# Altium PCB bqCNC.PcbDoc (part 5 of 6)
Units mm, origin at the board's own origin, x right, y up, seen from the top; angles counter-clockwise.
Board outline 136 x 100 mm, 4 copper layers (Top Layer, Power Layer, Signal Layer 1, GND Layer), stack 1.584 mm thick; 429 components, 259 nets, 1361 pads, 782 vias.
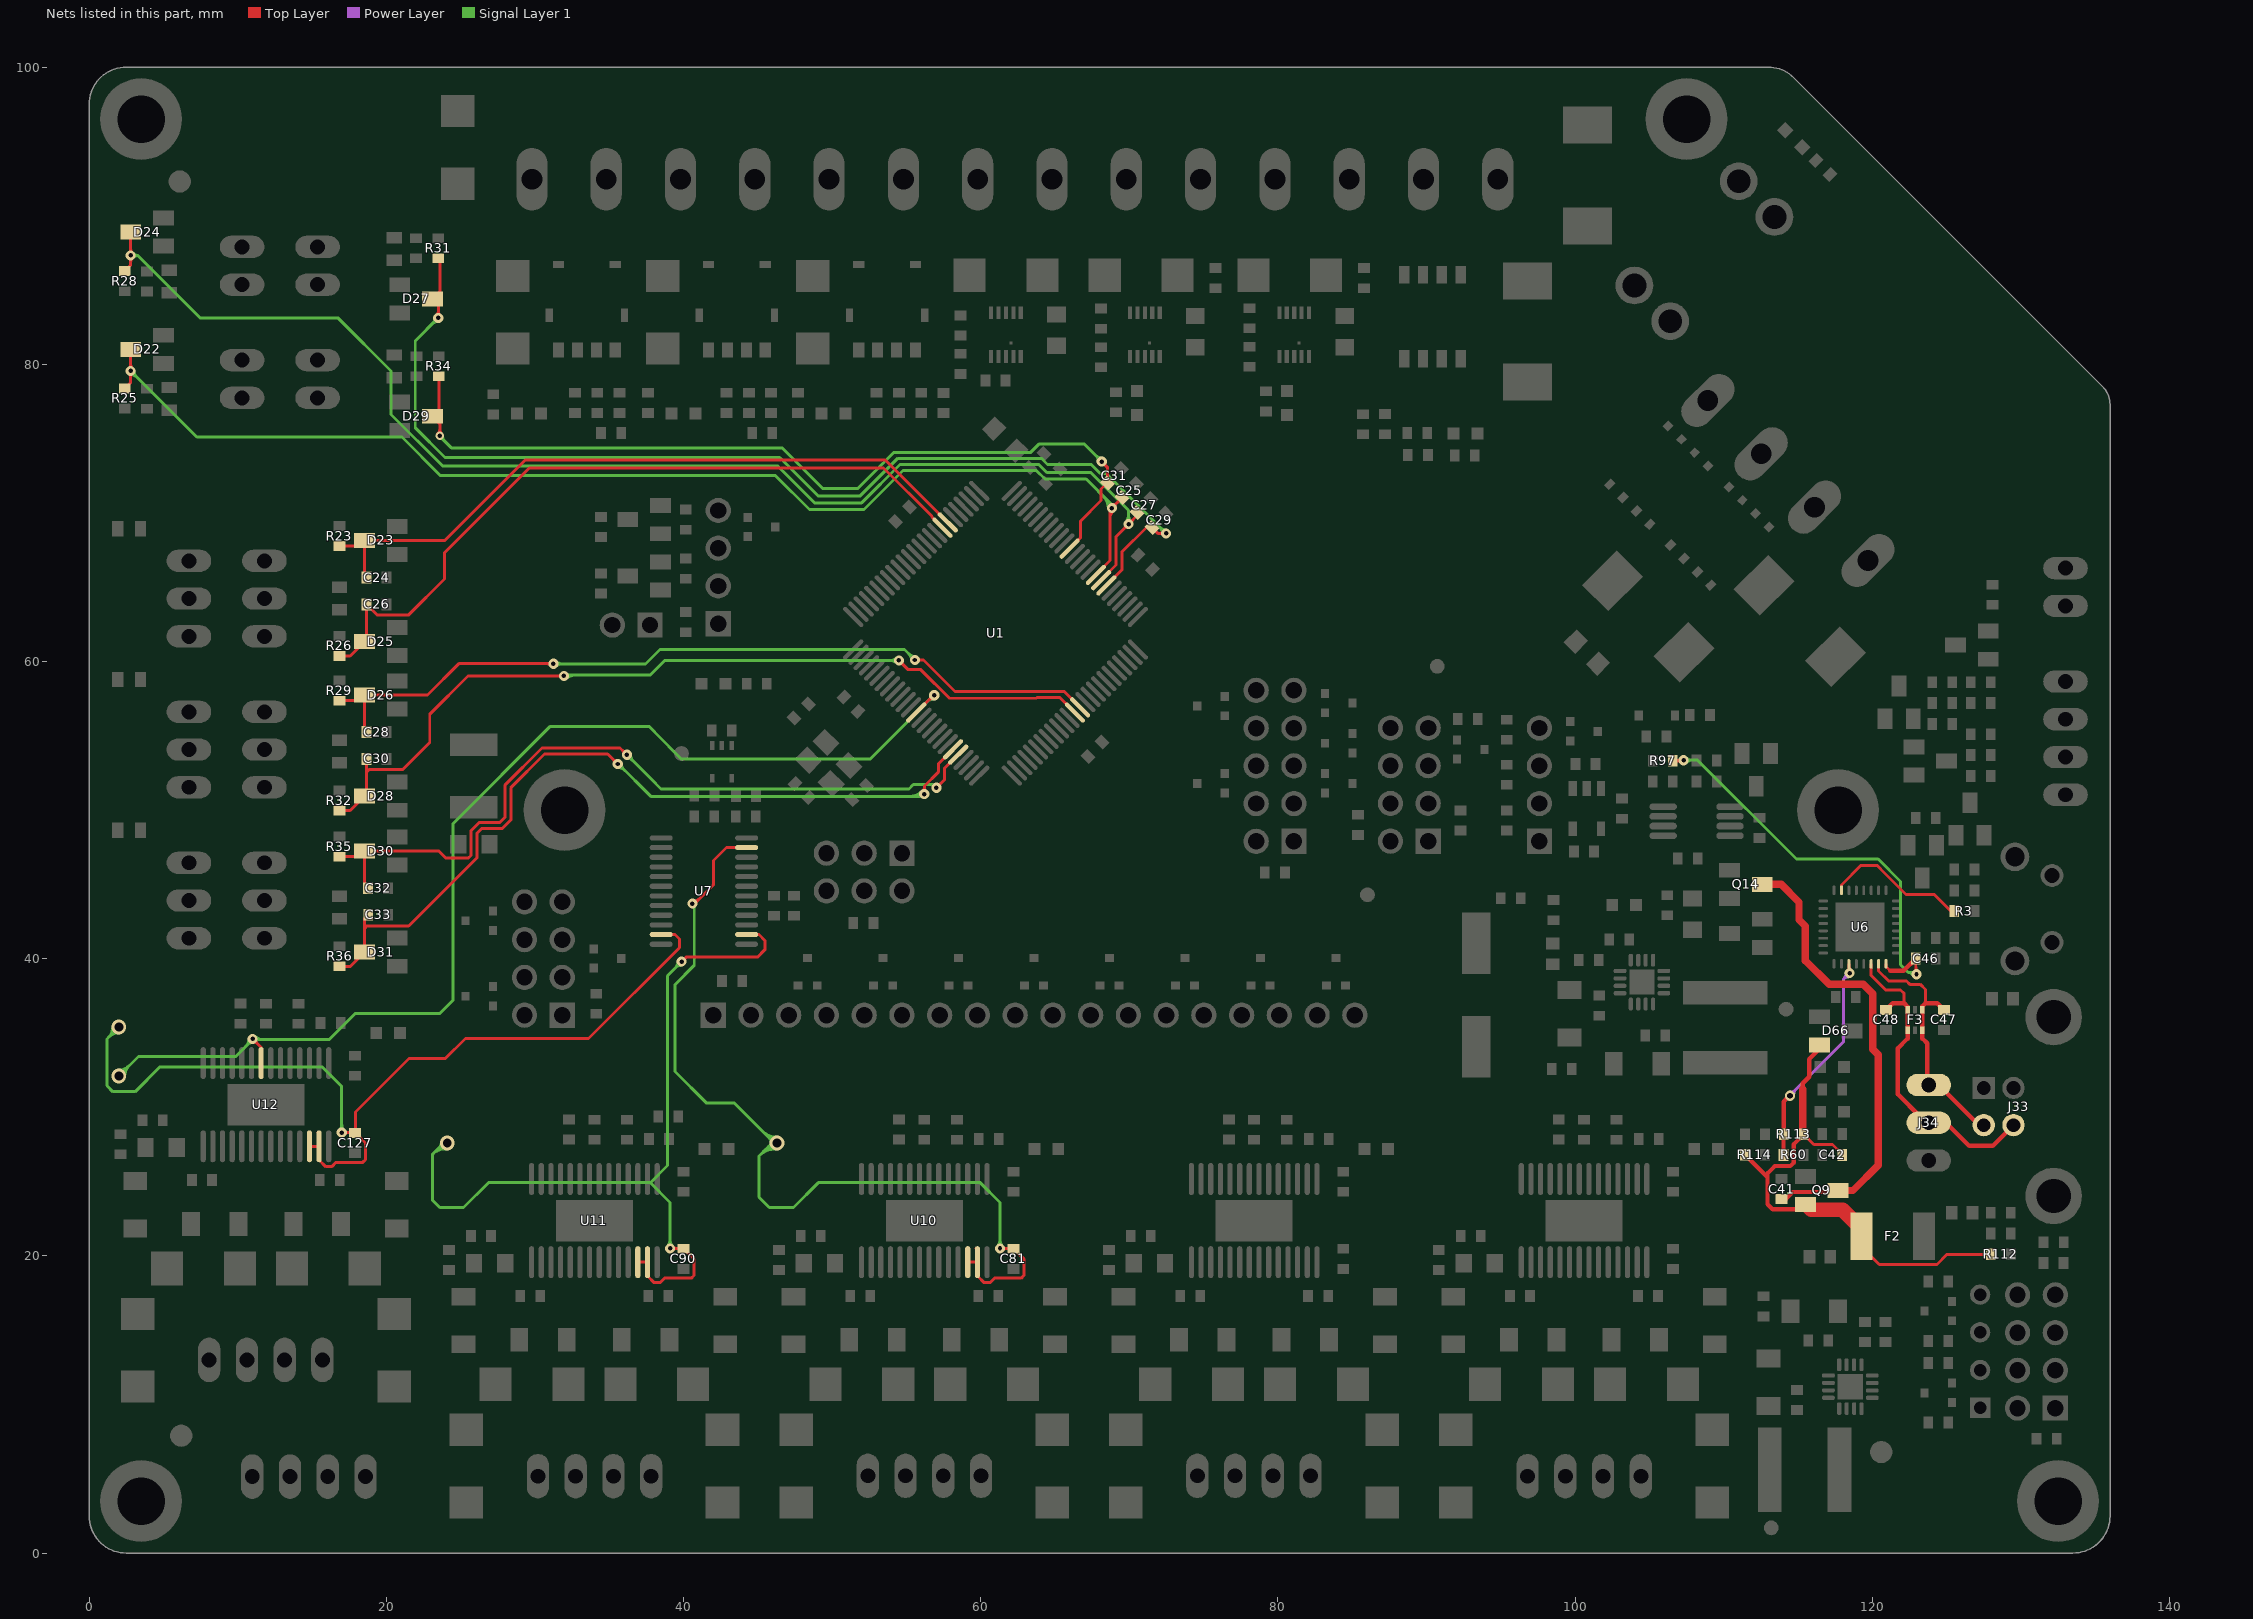
[diagram p7: the nets of this part, all layers, seen from the top]

## Via types
v1: diameter 0.66/0.74/0.74/0.66 (per signal layer), hole 0.4, Top Layer to GND Layer, 361 vias
v2: diameter 0.56/0.68/0.68/0.56 (per signal layer), hole 0.3, Top Layer to GND Layer, 323 vias
v3: diameter 0.86/0.98/0.98/0.86 (per signal layer), hole 0.6, Top Layer to GND Layer, 76 vias
v4: diameter 1, hole 0.6, Top Layer to GND Layer, tented bottom, 20 vias
v5: diameter 0.56/0.68/0.68/0.56 (per signal layer), hole 0.4, Top Layer to GND Layer, 1 vias
v6: diameter 0.56, hole 0.3, Top Layer to GND Layer, 1 vias

## Nets (pads, with @x,y where several pads share a name; then routed paths per layer and width w, separated by ;. In a path a pad name is that pad's centre, name@x,y a point inside that pad or via, vN(x,y) a via of type N, cw(c..) or ccw(c..) an arc to the next point about the centre after c; other vN are vias at no path point) (continued)
STEP5: U1.38 U12.22 | length 85.7
  Top Layer w0.2: v2@11,34.42 cw(c11,33.985) 11.307,34.293 cw(c11.615,34.6) v2@11.18,34.6 ; v2(11,34.6) 11.579,34.021 U12.22@11.579,32.975 ; U1.38@55.661,56.561 56.825,57.725 v2(56.875,57.725) ; v2@56.653,57.486 ccw(c56.564,57.819) v2@56.894,57.719 ; 56.482,57.382 cw(c56.875,56.99) 56.875,57.545 ccw(c56.875,56.99) 56.482,57.382 ; 56.603,57.503 ccw(c56.381,57.725) 56.695,57.725 cw(c56.381,57.725) 56.603,57.503
  Signal Layer 1 w0.2: v4(2,32.1) 3.325,33.425 9.875,33.425 v2@10.975,34.525 ; v4@2,32.5 ccw(c2,33.466) 2.683,32.783 ccw(c3.366,32.1) v4@2.4,32.1 ; 10.555,34.105 ccw(c10.06,34.6) v2@10.76,34.6 ; 10.676,34.226 cw(c11,33.901) v2@11,34.36 ; v2@11.075,34.55 16.15,34.55 17.9,36.3 23.581,36.3 24.5,37.219 24.5,49.1 31.04,55.64 37.673,55.64 38.081,55.232 38.081,55.219 39.875,53.425 52.55,53.425 56.3,57.175 ; v2@11.17,34.43 cw(c11.459,34.141) 11.459,34.55 ; v2@11.17,34.77 ccw(c11.7,35.3) 11.7,34.55 ; 56.04,56.915 v2@56.862,57.737 ; 56.423,57.298 cw(c56.875,56.845) 56.875,57.485 ccw(c56.875,56.845) 56.423,57.298 ; 56.483,57.358 ccw(c56.116,57.725) 56.635,57.725 cw(c56.116,57.725) 56.483,57.358
THERM0: C25.2 D22.3 R25.2 U1.84 | length 85.7
  Top Layer w0.2: R25.2@2.4,78.375 2.8,78.775 v2(2.8,79.55) D22.3@2.8,81 ; v2@2.673,79.423 cw(c2.365,79.115) 2.8,79.115 cw(c3.235,79.115) v2@2.927,79.423 ; v2@2.673,79.677 ccw(c2.365,79.985) 2.8,79.985 ccw(c3.235,79.985) v2@2.927,79.677 ; U1.84@67.7,65.8 68.7,66.8 v2@68.7,70.025 ; 68.7,69.589 cw(c69.561,69.589) v2@68.952,70.198 ; 68.7,70 cw(c68.846,70) v2@68.836,70.145 ; v2@68.7,70.072 cw(c69.078,70.072) v2@68.811,70.339 ; v2(68.825,70.325) C25.2@69.523,71.023 ; v2@68.825,70.505 ccw(c68.825,70.94) 69.132,70.632 ccw(c69.44,70.325) v2@69.005,70.325
  Signal Layer 1 w0.2: v2@2.8,79.31 cw(c2.8,78.731) 3.21,79.14 cw(c3.619,79.55) v2@3.04,79.55 ; v2(2.8,79.55) 7.25,75.1 21.05,75.1 23.65,72.5 46.2,72.5 48.475,70.225 52.15,70.225 54.775,72.85 63.745,72.85 64.32,72.275 67.1,72.275 68.725,70.65 ; 68.256,71.119 cw(c67.462,70.325) v2@68.585,70.325 ; 68.598,70.777 cw(c68.145,70.325) v2@68.785,70.325
THERM1: C27.2 D24.3 R28.2 U1.83 | length 91.8
  Top Layer w0.2: R28.2@2.4,86.275 2.8,86.675 v2(2.8,87.325) D24.3@2.8,88.9 ; v2@2.673,87.198 cw(c2.365,86.89) 2.8,86.89 cw(c3.235,86.89) v2@2.927,87.198 ; v2@2.673,87.452 ccw(c2.365,87.76) 2.8,87.76 ccw(c3.235,87.76) v2@2.927,87.452 ; U1.83@68,65.4 69.1,66.5 69.1,68.4 70.523,69.823 C27.2@70.523,70.023 ; v2@69.77,69.25 cw(c69.335,69.25) 69.643,68.943 cw(c69.95,68.635) v2@69.95,69.07 ; v2@69.95,69.43 ccw(c69.95,69.865) 70.257,69.557 ccw(c70.565,69.25) v2@70.13,69.25
  Signal Layer 1 w0.2: v2(2.8,87.325) 3.275,87.325 ; v2@2.993,87.183 cw(c3.275,86.975) 3.275,87.325 ; v2@2.993,87.467 ccw(c3.275,87.675) 3.275,87.325 ; v2@69.78,69.42 ccw(c69.371,69.829) 69.95,69.829 ccw(c70.529,69.829) v2@70.12,69.42 ; v2(69.95,69.25) 69.95,70.175 67.414,72.711 64.45,72.711 63.911,73.25 54.566,73.25 51.991,70.675 48.825,70.675 46.35,73.15 23.8,73.15 20.325,76.625 20.325,79.55 16.775,83.1 7.5,83.1 3.275,87.325
THERM2: C29.2 D27.3 R31.2 U1.82 | length 77.7
  Top Layer w0.2: v2@23.373,83.252 ccw(c23.065,83.56) 23.5,83.56 ccw(c23.935,83.56) v2@23.627,83.252 ; v2(23.5,83.125) 23.5,84 D27.3@23.1,84.4 23.6,84.9 23.6,87.025 R31.2@23.5,87.125 ; U1.82@68.46,65.117 69.5,66.157 69.5,67.369 71.154,69.023 C29.2@71.523,69.023 71.92,68.625 v2(72.475,68.625) ; v2@72.348,68.498 ccw(c72.04,68.19) 72.04,68.625 ccw(c72.04,69.06) v2@72.348,68.752
  Signal Layer 1 w0.2: v2@23.26,83.125 cw(c22.681,83.125) 23.09,82.715 cw(c23.5,82.306) v2@23.5,82.885 ; v2(23.5,83.125) 21.95,81.575 21.95,75.725 23.95,73.725 46.475,73.725 49.05,71.15 51.9,71.15 54.425,73.675 64.087,73.675 64.5,73.248 67.447,73.248 68.05,72.645 68.455,72.645 v2(72.475,68.625) ; v2@72.235,68.625 ccw(c71.656,68.625) 72.065,69.035 ccw(c72.475,69.444) v2@72.475,68.865
THERM3: C31.2 D29.3 R34.2 U1.89 | length 62
  Top Layer w0.2: v6@23.473,75.327 ccw(c23.165,75.635) 23.6,75.635 ccw(c24.035,75.635) v6@23.727,75.327 ; R34.2@23.534,79.185 23.534,76.934 D29.3@23.1,76.5 23.6,76 v6(23.6,75.2) ; U1.89@66.1,67.7 66.72,68.32 66.72,69.445 68.1,70.825 68.1,71.6 C31.2@68.523,72.023 68.523,73.077 v2(68.15,73.45) ; v2@68.15,73.27 cw(c68.15,72.835) 68.457,73.143 cw(c68.765,73.45) v2@68.33,73.45
  Signal Layer 1 w0.2: v6@23.6,75.02 cw(c23.6,74.706) 23.822,74.928 ; v6(23.6,75.2) 23.6,75.15 24.375,74.375 46.625,74.375 49.35,71.65 51.75,71.65 54.175,74.075 63.375,74.075 63.949,74.649 66.951,74.649 v2(68.15,73.45) ; v6@23.78,75.2 ccw(c24.335,75.2) 23.943,74.807 ; v2@67.91,73.45 ccw(c67.331,73.45) 67.74,73.86 ccw(c68.15,74.269) v2@68.15,73.69
USB_3V3: C46.2 R97.2 U6.16 | length 32.1
  Top Layer w0.2: R97.2@106.576,53.317 107.267,53.317 v2(107.3,53.35) ; R97.2@106.786,53.317 ccw(c106.786,53.864) v2@107.173,53.477 ; 106.944,53.317 cw(c106.944,52.994) v2@107.173,53.223 ; U6.16@120.925,39.65 120.925,39.475 121.2,39.2 ; v2@122.848,39.077 ccw(c122.661,39.264) v2@122.925,39.264 ; 122.925,39.505 ccw(c123.53,39.505) v2@123.102,39.077 ; C46.2@122.925,40 122.925,39 v2(122.975,38.95)
  Top Layer w0.3: 121.2,39.2 122.125,39.2 C46.2@122.925,40
  Signal Layer 1 w0.2: v2@107.275,53.375 108.225,53.375 114.9,46.7 120.4,46.7 121.9,45.2 121.9,39.6 122.425,39.075 ; v2@107.47,53.18 cw(c107.94,52.71) 107.94,53.375 ; v2@107.47,53.52 ccw(c107.819,53.869) 107.819,53.375 ; v2@122.754,38.857 ccw(c122.425,38.718) 122.425,39.075 ; v2(122.975,38.95) 122.85,39.075 122.425,39.075
USB_5V: C41.2 Q9.3 Q14.3 | length 32.1
  Top Layer w0.3: C41.2@113.9,23.825 114.18,23.825 114.655,24.3 117.5,24.3 Q9.3@117.7,24.5 ; Q9.3@117.7,24.4 Q9.3@117.975,24.675
  Top Layer w0.5: Q14.3@112.6,45 113.875,45 115.07,43.805 115.07,42.63 115.5,42.2 115.5,39.875 117.091,38.284 119.393,38.284 120.027,37.65 120.027,33.905 120.13,33.802 120.13,33.795 120.4,33.525 120.4,26.1 118.7,24.4 Q9.3@117.7,24.4
USB_DTR: R3.2 U6.31 | length 9.8
  Top Layer w0.2: U6.31@117.925,44.6 117.925,44.956 119.249,46.28 120.32,46.28 120.897,45.703 120.897,45.7 122.272,44.325 124.175,44.325 125.3,43.2 R3.2@125.525,43.2
USB_N: C47.2 F3.1 F3.6 J33.2 J34.1 U6.15 | length 17.8
  Top Layer w0.2: U6.15@120.425,39.65 120.425,39.175 121.1,38.5 122.3,38.5 122.525,38.275 123.225,38.275 123.575,37.925 123.575,37 ; J34.1@123.2,31.5 J34.1@123.7,32
  Top Layer w0.3: J34.1@123.2,31.5 124.475,31.5 127.175,28.8 J33.2@127.5,28.8 ; J34.1@123.7,32 123.7,34.3 123.375,34.625 F3.6@123.375,35.175 F3.1@123.375,36.575 123.375,36.8 123.575,37 124.375,37 C47.2@124.825,36.55
USB_P: C48.2 F3.3 F3.4 J33.3 J34.2 U6.14 | length 22.1
  Top Layer w0.2: U6.14@119.925,39.65 119.925,38.875 120.9,37.9 121.9,37.9 122.15,37.65 122.15,37 ; J34.2@123.2,28.96 J34.2@123.2,29.4
  Top Layer w0.3: C48.2@120.925,36.55 121.375,37 122.15,37 122.375,36.775 F3.3@122.375,36.575 F3.4@122.375,35.175 122.375,34.625 121.725,33.975 121.725,30.875 J34.2@123.2,29.4 ; J34.2@123.2,28.96 124.965,28.96 126.525,27.4 128.1,27.4 J33.3@129.5,28.8
USB_PWR: R60.2 R113.1 U6.11 | length 17.7
  Top Layer w0.2: v2@118.348,39.152 ccw(c118.161,39.339) U6.11@118.425,39.339 ; U6.11@118.425,39.58 ccw(c119.03,39.58) v2@118.602,39.152 ; U6.11@118.425,39.65 118.425,38.975 v2(118.475,39.025)
  Top Layer w0.3: R60.2@114.025,26.8 114.025,28.2 R113.1@114.032,28.207 ; R113.1@114.032,28.183 R113.1@114.032,28.207 ; 114.185,30.535 cw(c114.45,30.271) v5@114.45,30.645 ; v5@114.5,30.85 114.032,30.382 R113.1@114.032,28.207
  Power Layer w0.2: v5@114.425,30.775 118.05,34.4 118.05,38.6 v2(118.475,39.025) ; v5@114.45,31.015 ccw(c114.45,31.534) 114.817,31.167 ; v5@114.69,30.775 cw(c115.33,30.775) 114.877,31.227 ; v2@118.235,39.025 cw(c117.656,39.025) 118.065,38.615 cw(c118.475,38.206) v2@118.475,38.785
  other v5: 114.45,30.775
USB_VCC: C42.2 D66.2 F2.2 Q9.2 R112.1 R113.2 R114.1 | length 34.7
  Top Layer w0.2: R113.2@115.382,28.183 116.065,27.5 117.325,27.5 C42.2@117.95,26.875 ; F2.2@119.3,20.6 120.475,19.425 124.349,19.425 125.032,20.108 R112.1@127.982,20.108
  Top Layer w0.3: R114.1@111.432,26.809 112.95,25.291 ; Q9.2@115.2,23.125 113.3,23.125 112.95,23.475 112.95,25.291 ; 115.325,31.2 115.325,31.625 115.75,32.05 115.75,33.245 116.443,33.938 D66.2@116.443,34.191 ; R113.2@115.382,28.183 114.7,27.502 114.7,26.255 114.495,26.05 113.45,26.05 112.95,25.55 112.95,25.291
  Top Layer w0.5: R113.2@115.325,28.175 115.325,31.2
  Top Layer w1: Q9.2@115.6,23.4 115.9,23.1 118,23.1 119.275,21.825 F2.2@119.275,21.325
X_MAX: C26.2 D25.3 R26.2 U1.8 | length 50.5
  Top Layer w0.2: R26.2@16.843,60.368 17.568,60.368 D25.3@18.543,61.343 18.668,61.468 C26.2@18.668,63.843 19.368,63.143 21.518,63.143 23.925,65.55 23.925,67.325 29.625,73.025 53.466,73.025 56.725,69.766 56.725,69.711 U1.8@57.429,69.006
X_MIN: C24.2 D23.3 R23.2 U1.7 | length 47.6
  Top Layer w0.2: R23.2@16.843,67.768 18.168,67.768 D23.3@18.543,68.143 ; C24.2@18.668,65.643 18.543,65.768 D23.3@18.543,68.143 ; U1.7@57.783,69.36 53.593,73.55 29.343,73.55 23.936,68.143 D23.3@18.543,68.143
X_REF: C81.2 U7.11 U10.12 U10.13 | length 68.1
  Top Layer w0.2: v2@40.602,43.882 ccw(c40.602,44.679) 41.165,44.115 ; v2@40.677,43.627 42.025,44.975 42.025,46.6 42.9,47.475 U7.11@44.25,47.475 ; U10.12@59.2,19.6 59.225,19.575 U10.13@59.779,19.575 59.779,18.653 60.232,18.2 60.626,18.2 60.922,18.496 62.724,18.496 62.9,18.672 62.9,19.8 C81.2@62.1,20.6 ; U10.13@59.7,20.5 U10.13@59.782,20.5 ; v2(61.3,20.5) C81.2@62.1,20.5 ; v2@61.427,20.373 cw(c61.735,20.065) 61.735,20.5 cw(c61.735,20.935) v2@61.427,20.627
  Signal Layer 1 w0.2: v2@40.574,43.674 cw(c40.208,43.309) 40.725,43.309 ; v2(40.602,43.702) 40.725,43.579 40.725,39.55 39.425,38.25 39.425,32.4 41.525,30.3 43.4,30.3 v4@46.075,27.625 ; 45.276,28.424 ccw(c46.3,29.448) v4@46.3,28 ; 45.399,27.049 cw(c46.248,26.201) v4@46.293,27.4 ; 45.617,28.083 ccw(c46.3,28.766) v4@46.3,27.8 ; 45.724,27.374 cw(c46.271,26.826) v4(46.3,27.6) 45.95,27.6 45.075,26.725 ; 45.759,27.941 cw(c45.417,27.6) v4@45.9,27.6 ; 45.775,23.25 45.075,23.95 45.075,26.725 ; 45.8,23.25 47.4,23.25 49.075,24.925 59.975,24.925 61.3,23.6 61.3,20.65 61.45,20.5 v2(61.3,20.5) ; v4@46.285,27.2 ccw(c46.225,25.575) 45.075,26.725 ; v2@61.13,20.67 ccw(c60.721,21.079) 61.3,21.079 ccw(c61.879,21.079) v2@61.47,20.67
Y_MAX: C30.2 D28.3 R32.2 U1.63 | length 61.2
  Top Layer w0.2: R32.2@16.843,49.968 17.568,49.968 D28.3@18.543,50.943 18.668,51.068 18.668,52.55 ; C30.2@18.668,53.443 18.668,52.55 ; v2@31.823,58.898 ccw(c31.515,58.59) 31.515,59.025 ccw(c31.515,59.46) v2@31.823,59.152 ; v2(31.95,59.025) 25.5,59.025 22.925,56.45 22.925,54.55 21.118,52.743 18.861,52.743 18.668,52.55 ; v2@54.5,59.895 cw(c54.5,59.46) 54.807,59.768 cw(c55.115,60.075) v2@54.68,60.075 ; v2(54.5,60.075) 55.125,59.45 55.97,59.45 57.895,57.525 63.73,57.525 63.785,57.58 65.32,57.58 U1.63@66.339,56.561
  Signal Layer 1 w0.2: v2(31.95,59.025) 32,59.075 37.75,59.075 38.75,60.075 v2(54.5,60.075) ; v2@32.12,58.855 cw(c32.65,58.325) 32.65,59.075 ; v2@32.12,59.195 ccw(c32.409,59.484) 32.409,59.075 ; v2@54.33,59.905 ccw(c53.921,59.496) 53.921,60.075 ccw(c53.921,60.654) v2@54.33,60.245
Y_MIN: C28.2 D26.3 R29.2 U1.64 | length 58.7
  Top Layer w0.2: R29.2@16.843,57.368 18.168,57.368 D26.3@18.543,57.743 ; C28.2@18.668,55.243 18.543,55.368 D26.3@18.543,57.743 ; v2@31.123,59.723 ccw(c30.815,59.415) 30.815,59.85 ccw(c30.815,60.285) v2@31.123,59.977 ; v2(31.25,59.85) 24.884,59.85 22.777,57.743 D26.3@18.543,57.743 ; v2@55.55,60.1 56.15,60.1 58.27,57.98 65.627,57.98 U1.64@66.692,56.915 ; v2@55.702,59.973 cw(c56.01,59.665) 56.01,60.1 cw(c56.01,60.535) v2@55.702,60.227
  Signal Layer 1 w0.2: v2(31.25,59.85) 31.275,59.825 37.45,59.825 38.425,60.8 54.875,60.8 v2(55.575,60.1) ; v2@31.42,59.68 cw(c31.769,59.331) 31.769,59.825 ; v2@31.42,60.02 ccw(c31.89,60.49) 31.89,59.825 ; v2@55.335,60.1 ccw(c54.756,60.1) 55.165,60.51 ccw(c55.575,60.919) v2@55.575,60.34
Y_REF: C90.2 U7.2 U11.12 U11.13 | length 62.2
  Top Layer w0.2: U11.12@37,19.6 37.025,19.575 U11.13@37.579,19.575 37.579,18.653 38.032,18.2 38.426,18.2 38.722,18.496 40.524,18.496 40.7,18.672 40.7,19.8 C90.2@39.9,20.6 ; U11.13@37.5,20.5 U11.13@37.582,20.5 ; v2(39.1,20.5) C90.2@39.9,20.5 ; v2@39.227,20.373 cw(c39.535,20.065) 39.535,20.5 cw(c39.535,20.935) v2@39.227,20.627 ; v2(39.875,39.8) 40.175,40.1 ; v2@39.878,39.98 ccw(c39.885,40.39) 40.175,40.1 ; v2@40.055,39.803 cw(c40.465,39.81) 40.175,40.1 ; U7.2@44.25,41.625 45.075,41.625 45.475,41.225 45.475,40.6 44.975,40.1 40.175,40.1
  Signal Layer 1 w0.2: 23.434,27.159 cw(c24.023,26.569) v4@24.085,27.401 ; 23.576,27.301 ccw(c23.277,27.6) v4@23.7,27.6 ; v4@24.07,27.201 ccw(c23.981,25.995) 23.125,26.85 ; v4(24.1,27.6) 23.875,27.6 23.125,26.85 ; v2@38.93,20.67 ccw(c38.521,21.079) 39.1,21.079 ccw(c39.679,21.079) v2@39.27,20.67 ; v2(39.1,20.5) 39.25,20.5 39.1,20.65 39.1,23.6 37.775,24.925 ; v2@39.635,39.8 cw(c39.056,39.8) 39.465,39.39 cw(c39.875,38.981) v2@39.875,39.56 ; v2(39.875,39.8) 38.925,38.85 38.925,26.075 37.775,24.925 ; 23.125,26.85 23.125,23.725 23.6,23.25 25.2,23.25 26.875,24.925 37.775,24.925
Z_MAX: C33.2 D31.3 R36.2 U1.45 | length 58.1
  Top Layer w0.2: R36.2@16.857,39.482 17.582,39.482 D31.3@18.543,40.443 18.543,42.05 ; C33.2@18.782,42.957 18.543,42.718 18.543,42.05 ; 35.266,53.409 cw(c34.957,53.1) v2@35.394,53.1 ; 35.268,53.407 ccw(c35.574,53.712) v2@35.574,53.28 ; v2(35.574,53.1) 34.9,53.775 30.652,53.775 28.378,51.5 28.378,49.338 27.79,48.75 26.401,48.75 26.1,48.449 26.1,46.785 21.508,42.193 18.686,42.193 18.543,42.05 ; v2@56.075,51.205 ccw(c55.714,51.566) 56.225,51.566 ; v2(56.203,51.077) 56.225,51.1 56.225,51.625 57.15,52.55 57.15,53.1 U1.45@58.136,54.086 ; 56.225,51.458 ccw(c56.584,51.458) v2@56.33,51.205
  Signal Layer 1 w0.2: v2@35.574,52.86 cw(c35.574,52.158) 36.071,52.654 ; v2(35.574,53.1) 35.625,53.1 37.8,50.925 56.05,50.925 v2(56.203,51.077) ; v2@35.814,53.1 ccw(c36.271,53.1) 35.948,52.777 ; 55.255,50.925 ccw(c55.255,52.025) v2@56.033,51.247 ; 55.738,50.925 ccw(c55.738,51.542) v2@56.174,51.106
Z_MIN: C32.2 D30.3 R35.2 U1.46 | length 55
  Top Layer w0.2: R35.2@16.843,46.868 18.168,46.868 D30.3@18.543,47.243 ; C32.2@18.768,44.743 18.543,44.968 D30.3@18.543,47.243 ; 35.857,54.043 ccw(c36.196,54.382) v2@36.196,53.902 ; 35.902,53.998 cw(c35.627,53.722) v2@36.016,53.722 ; v2@36.187,53.713 35.725,54.175 30.486,54.175 27.978,51.666 27.978,49.503 27.624,49.15 26.235,49.15 25.7,48.615 25.7,46.951 25.524,46.775 24,46.775 23.532,47.243 D30.3@18.543,47.243 ; v2(57.025,51.5) 57.55,52.025 57.55,52.793 U1.46@58.49,53.733 U1.46@58.49,53.665 ; v2@57.025,51.68 ccw(c57.025,52.115) 57.332,51.807 ccw(c57.64,51.5) v2@57.205,51.5
  Signal Layer 1 w0.2: v2@36.196,53.482 cw(c36.196,52.903) 36.606,53.313 cw(c37.016,53.722) v2@36.436,53.722 ; v2(36.196,53.722) 37.808,52.11 37.808,52.108 38.491,51.425 55.175,51.425 55.467,51.717 56.808,51.717 v2(57.025,51.5)
Z_REF: C127.2 U7.23 U12.12 U12.13 | length 65.5
  Top Layer w0.2: U12.12@14.9,27.4 14.925,27.375 U12.13@15.479,27.375 15.479,26.453 15.932,26 16.326,26 16.622,26.296 18.424,26.296 18.6,26.472 18.6,27.6 C127.2@17.914,28.285 ; U12.13@15.4,28.3 U12.13@15.482,28.3 ; v2(17,28.3) C127.2@17.8,28.3 ; v2@17.127,28.173 cw(c17.435,27.865) 17.435,28.3 cw(c17.435,28.735) v2@17.127,28.427 ; C127.2@17.925,28.425 17.925,29.675 21.525,33.275 23.975,33.275 25.325,34.625 33.613,34.625 39.725,40.737 39.725,41.325 39.425,41.625 U7.23@38.5,41.625
  Signal Layer 1 w0.2: v4@1.6,35.4 cw(c0.634,35.4) 1.317,34.717 cw(c2,34.034) v4@2,35 ; v4(2,35.4) 1.2,34.6 1.2,31.45 1.6,31.05 3.1,31.05 4.775,32.725 15.675,32.725 17,31.4 17,28.45 17.15,28.3 v2(17,28.3) ; v2@16.83,28.47 ccw(c16.421,28.879) 17,28.879 ccw(c17.579,28.879) v2@17.17,28.47
pads on no net: FD1. FD2. FD3. SW1.3 SW1.4 U1.4 U1.9 U1.14 U1.27 U1.29 U1.48 U1.49 U1.65 U1.66 U1.67 U1.68 U3.1 U3.9 U4.1 U4.9 U5.1 U5.9 U6.3 U6.5 U6.6 U6.7 U6.8 U6.9 U6.10 U6.12 U6.13 U6.23 U6.25 U6.27 U6.28 U6.29 U6.32 U7.14 U8.23 U8.25 U8.27 U9.23 U9.25 U9.27 U10.23 U10.25 U10.27 U11.23 U11.25 U11.27 U12.23 U12.25 U12.27 U15.4 U16.4

## Polygon pours and split planes (outlines as drawn)
GND on Top Layer "HF dec - GND" (solid, remove dead copper, pour order 159): 95.775,44.625 95.775,43.475 96.325,42.925 97.85,42.925 98.025,43.1 99.15,43.1 99.525,42.725 100.35,42.725 100.6,42.975 100.6,44.4 100.175,44.825 95.975,44.825 95.95,44.8
12V_BUS on Top Layer "12V Damping" (solid, remove dead copper, pour order 160): 95.7,44.625 95.7,43.425 96.25,42.875 99.05,42.875 99.35,42.575 99.35,41.8 99.05,41.5 99.05,40.475 96.15,40.475 94.521,38.85 91.382,38.85 90.425,39.8 90.425,41.875 91.825,43.275 93.25,44.7 95.625,44.7
GND on Top Layer "Damping - GND" (solid, remove dead copper, pour order 161): 94,32 96.1,34.1 96.1,36.5 95,37.6 91.7,37.6 90.7,36.6 90.7,34.1 92.8,32
12V_BUS on Top Layer "12VBUS_Input" (solid, remove dead copper, pour order 162): 97.905,60.8 104.65,60.8 109.5,65.65 109.5,68.5 103.775,74.225 105.75,76.2 105.75,78 110,82.25 110,84.25 105.5,88.75 101.85,88.75 98.8,85.7 98.8,77.3 97.975,76.475 96.575,76.475 91.9,71.8 91.9,66.909
NetC101_2 on Top Layer "Multivia" (solid, remove dead copper, pour order 164): 97.725,39.8 97.925,40 99.5,40 100.25,39.25 101.5,39.25 102.25,38.5 102.25,37.25 102,37 98.275,37 97.725,37.55
12V_BUS on Top Layer "Top Layer-12V_BUS 1" (solid, pour order 166): 31.925,19.575 31.925,18.125 30.7,16.9 30.075,16.9 30.075,17.675 31.475,18.467 31.475,19.575
12V_BUS on Top Layer "Top Layer-12V_BUS 1" (solid, pour order 167): 9.825,27.375 9.825,25.925 8.6,24.7 7.975,24.7 7.975,25.475 9.375,26.267 9.375,27.375
12V_BUS on Top Layer "Top Layer-12V_BUS 1" (solid, pour order 168): 36.075,19.575 36.075,18.125 37.3,16.9 37.925,16.9 37.925,17.675 36.525,18.467 36.525,19.575
12V_BUS on Top Layer "Top Layer-12V_BUS 1" (solid, pour order 169): 13.975,27.375 13.975,25.925 15.2,24.7 15.825,24.7 15.825,25.475 14.425,26.267 14.425,27.375
12V_BUS on Top Layer "Top Layer-12V_BUS 1" (solid, pour order 170): 54.125,19.575 54.125,18.125 52.9,16.9 52.275,16.9 52.275,17.675 53.675,18.467 53.675,19.575
12V_BUS on Top Layer "Top Layer-12V_BUS 1" (solid, pour order 171): 58.275,19.575 58.275,18.125 59.5,16.9 60.125,16.9 60.125,17.675 58.725,18.467 58.725,19.575
12V_BUS on Top Layer "Top Layer-12V_BUS 1" (solid, pour order 172): 76.325,19.575 76.325,18.125 75.1,16.9 74.475,16.9 74.475,17.675 75.875,18.467 75.875,19.575
12V_BUS on Top Layer "Top Layer-12V_BUS 1" (solid, pour order 173): 80.475,19.575 80.475,18.125 81.7,16.9 82.325,16.9 82.325,17.675 80.925,18.467 80.925,19.575
12V_BUS on Top Layer "Top Layer-12V_BUS 1" (solid, pour order 174): 102.675,19.575 102.675,18.125 103.9,16.9 104.525,16.9 104.525,17.675 103.125,18.467 103.125,19.575
12V_BUS on Top Layer "Top Layer-12V_BUS 1" (solid, pour order 175): 98.525,19.575 98.525,18.125 97.3,16.9 96.675,16.9 96.675,17.675 98.075,18.467 98.075,19.575
NetD54_K on Top Layer "Top Layer-No Net 15" (solid, remove dead copper, pour order 176): 32.55,19.575 32.2,19.575 32.2,18.125 30.35,16.1 30.35,14.575 31.35,14.575 31.35,16.1 31.425,16.325 32.55,17.95
NetD58_K on Top Layer "Top Layer-No Net 15" (solid, remove dead copper, pour order 177): 10.45,27.375 10.1,27.375 10.1,25.925 8.25,23.9 8.25,22.375 9.25,22.375 9.25,23.9 9.325,24.125 10.45,25.75
NetD56_K on Top Layer "Top Layer-No Net 6" (solid, remove dead copper, pour order 178): 35.45,19.575 35.8,19.575 35.8,18.125 37.65,16.1 37.65,14.575 36.65,14.575 36.65,16.1 36.575,16.325 35.45,17.95
NetD60_K on Top Layer "Top Layer-No Net 6" (solid, remove dead copper, pour order 179): 13.35,27.375 13.7,27.375 13.7,25.925 15.55,23.9 15.55,22.375 14.55,22.375 14.55,23.9 14.475,24.125 13.35,25.75
NetD50_K on Top Layer "Top Layer-No Net 12" (solid, remove dead copper, pour order 180): 54.75,19.575 54.4,19.575 54.4,18.125 52.55,16.1 52.55,14.575 53.55,14.575 53.55,16.1 53.625,16.325 54.75,17.95
NetD52_K on Top Layer "Top Layer-No Net 6" (solid, remove dead copper, pour order 181): 57.65,19.575 58,19.575 58,18.125 59.85,16.1 59.85,14.575 58.85,14.575 58.85,16.1 58.775,16.325 57.65,17.95